# Altium PCB Robot Controller.PcbDoc (part 2 of 2)
Units mil, origin at the board's own origin, x right, y up, seen from the top; angles counter-clockwise.
Board outline 9536.28 x 6487.66 mil, 2 copper layers (Top Layer, Bottom Layer); 219 components, 126 nets, 623 pads, 158 vias.
Unrouted connection lines stored in the file: 51.
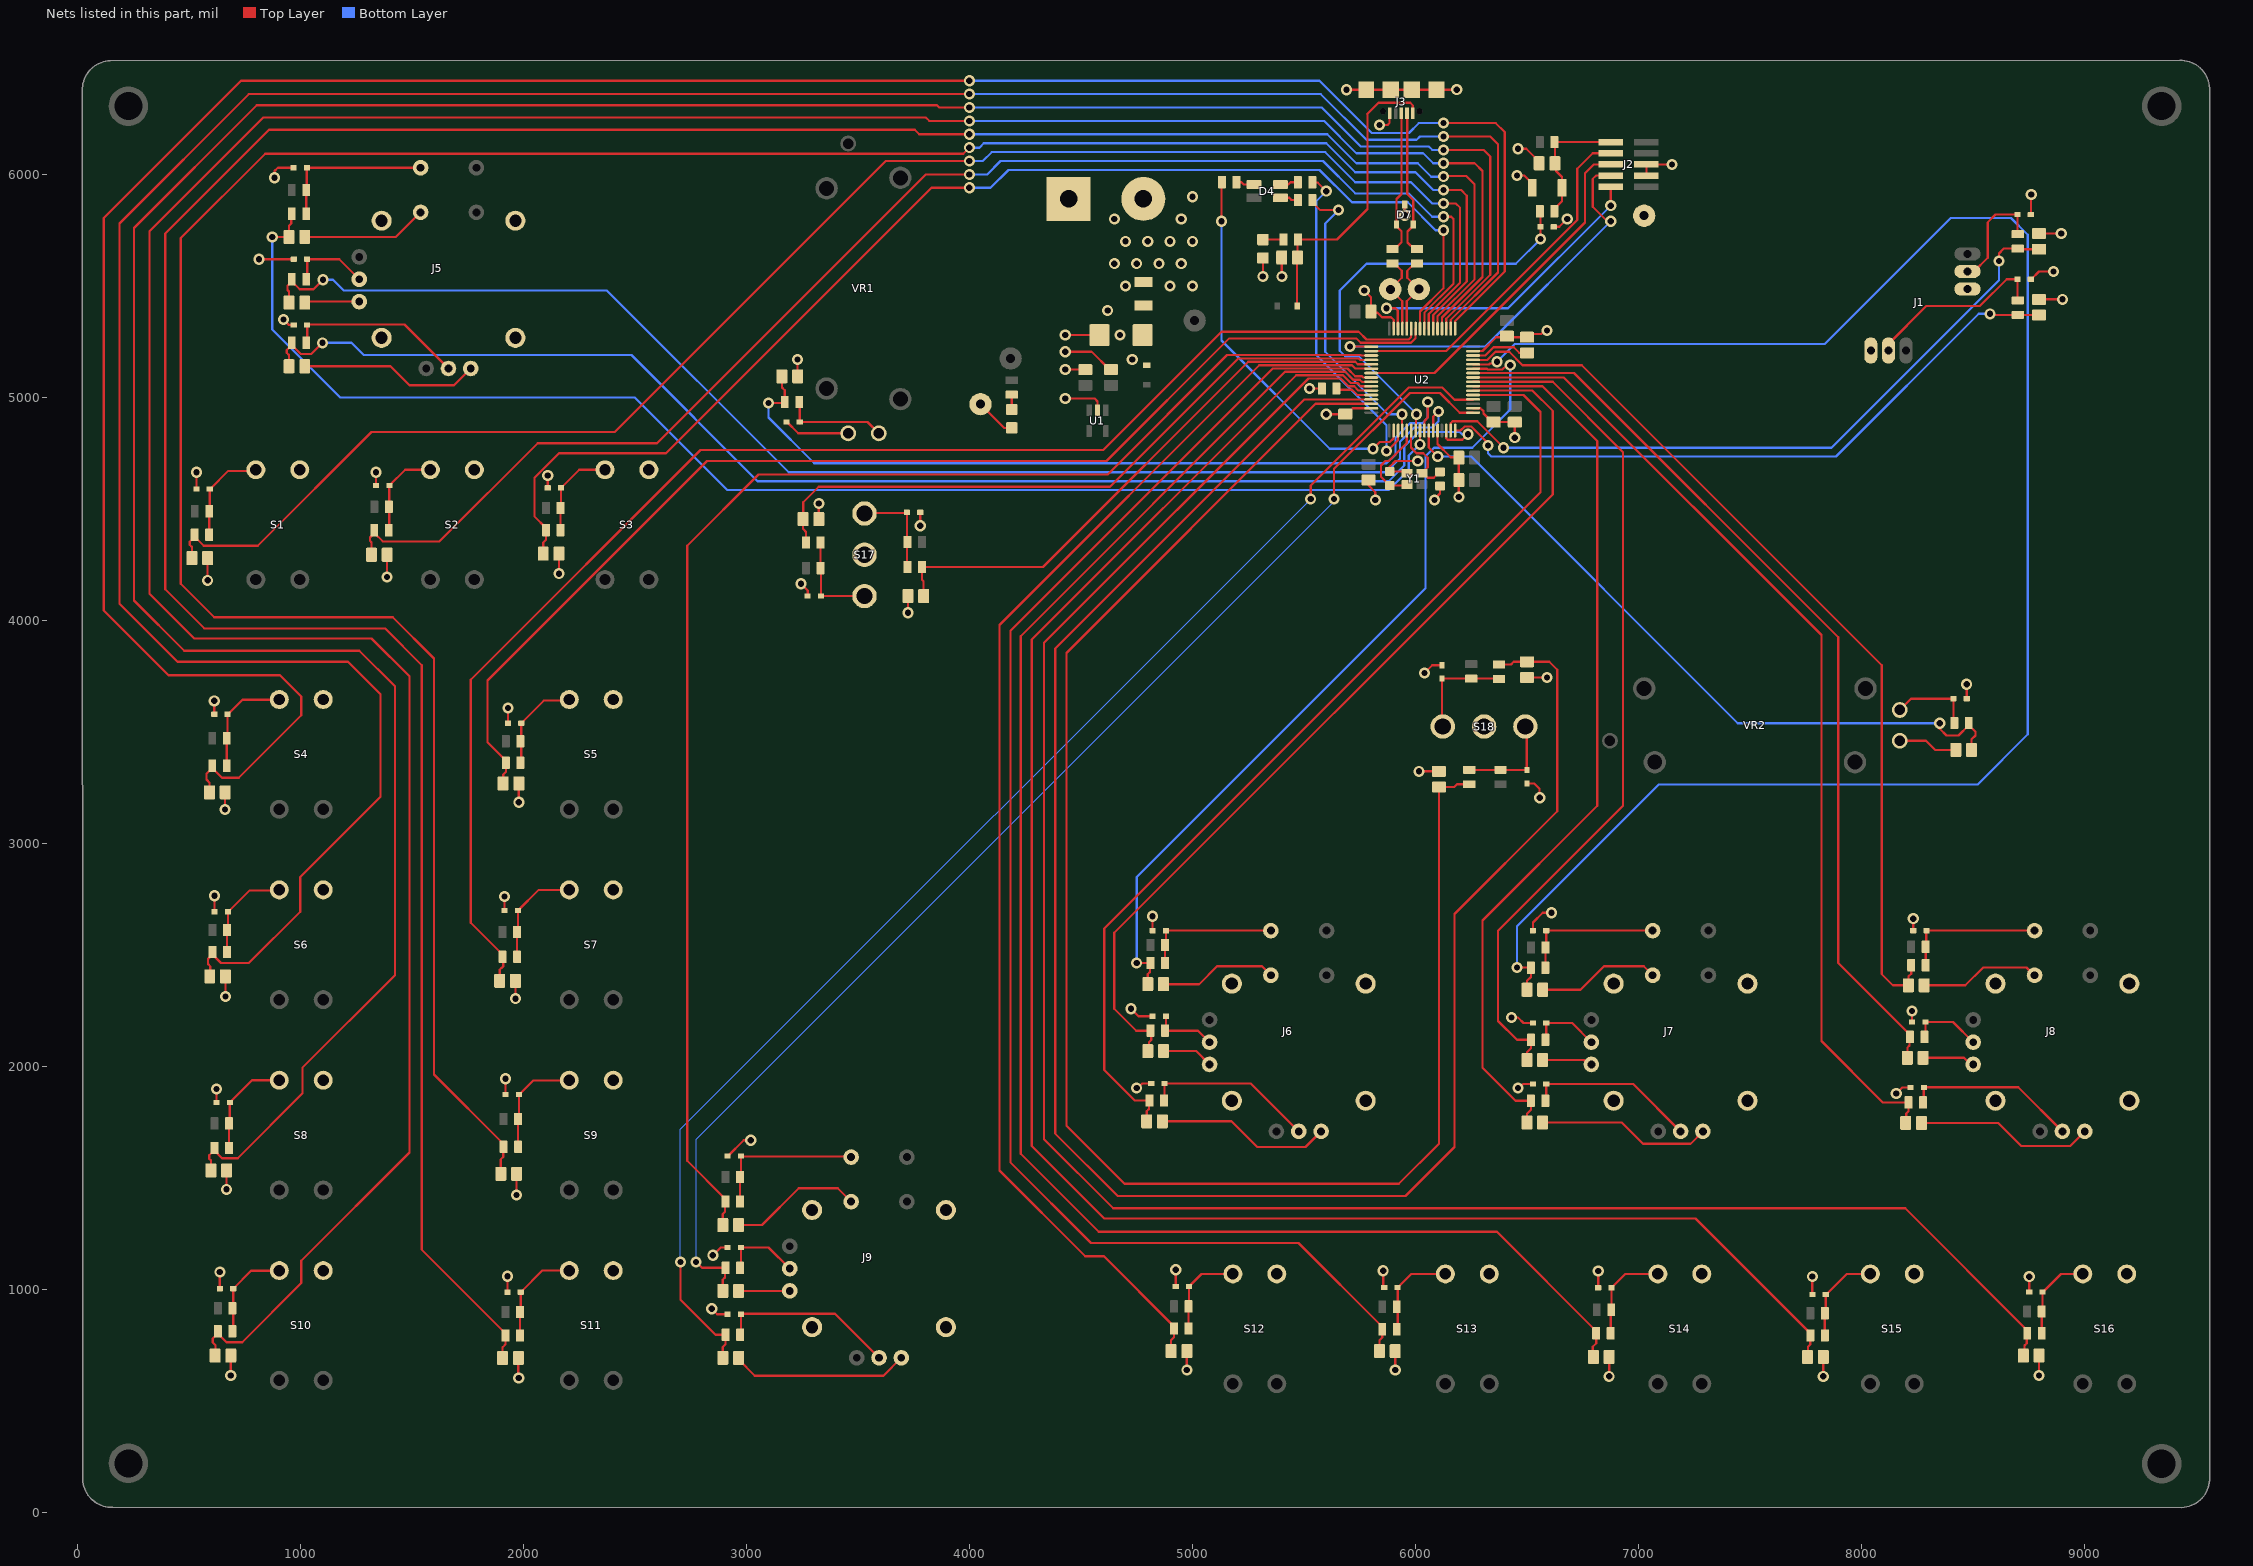
[diagram p2: the nets of this part, all layers, seen from the top]

## Via types
v1: diameter 50, hole 28, Top Layer to Bottom Layer, tented both sides, 158 vias

## Nets (pads, with @x,y where several pads share a name; then routed paths per layer and width w, separated by ;. In a path a pad name is that pad's centre, name@x,y a point inside that pad or via, vN(x,y) a via of type N, cw(c..) or ccw(c..) an arc to the next point about the centre after c; other vN are vias at no path point) (continued)
GND: C1.2 C3.2 C4.1 C5.1 C6.1 C7.1 C8.1 C9.1 C10.1 C11.1 C12.1 C13.1 C14.1 C15.1 C16.2 C17.1 C18.1 C19.1 C20.1 C21.1 C22.1 C23.1 C24.1 C25.1 C26.1 C27.1 C28.1 C29.1 C30.1 C31.1 C32.1 C33.1 C34.1 C35.1 C36.1 C37.1 C38.1 C39.1 C40.1 C41.1 C42.1 C43.1 C44.1 C45.1 C46.1 C47.1 C48.1 C49.1 C50.1 C51.1 C52.1 C53.1 C54.1 C55.1 D2.2 D3.2 D5.2 D6.2 D7.3 D8.2 D9.2 D10.2 D11.2 D12.2 D13.2 D14.2 D15.2 D16.2 D17.2 D18.2 D19.2 D20.2 D21.2 D22.2 D23.2 D24.2 D25.2 D26.2 D27.2 D28.2 D29.2 D30.2 D31.2 D32.2 D33.2 D34.2 D35.2 D36.2 D37.2 D38.2 D39.2 D40.2 D41.2 D42.2 D43.2 D44.2 D45.2 D46.2 GND.1 J1.3 J1.6 J2.3 J2.5 J3.5 J3.Shell J5.B2A J5.H3 J5.V3 J6.B2A J6.H3 J6.V3 J7.B2A J7.H3 J7.V3 J8.B2A J8.H3 J8.V3 J9.B2A J9.H3 J9.V3 P1.1 R5.2 S1.1 S2.1 S3.1 S4.1 S5.1 S6.1 S7.1 S8.1 S9.1 S10.1 S11.1 S12.1 S13.1 S14.1 S15.1 S16.1 S17.2 S18.2 S19.2 U1.2 U2.12 U2.18 U2.31 U2.47 U2.63 VR1.1 VR2.1 Y1.2 | length 17827.3
  Top Layer w5: v1@3325,4525 v1(3325.24,4524.76) ; C1.2@4628.11,5125 C1.2@4635,5125 ; 5718.39,4951.73 5718.7,4952.05 ; C7.1@5800.24,5385 C7.1@5805.24,5380 ; J3.5@5884,6273.1 J3.5@5885.13,6274.23 ; J3.Shell@6093.79,6379.54 J3.Shell@6094.25,6380 ; v1(6445,4820) v1@6455,4830 ; v1@6589.76,3744.76 v1(6590,3745)
  Top Layer w10: v1@535,4665 v1(535.08,4664.92) D13.2@535.08,4590 ; v1@585,4190 v1@585.24,4190.24 ; v1(585.24,4180.24) v1@585.24,4190.24 ; C22.1@585.24,4280 v1@585.24,4190.24 ; D44.2@615.08,3580 v1(615.08,3640.08) ; D46.2@616.22,2695 v1(616.22,2766.22) v1@620,2770 ; v1(625,1900) 625,1840.08 D42.2@625.08,1840 ; v1@640,1080 v1(640.08,1079.92) D37.2@640.08,1005 ; v1(663.07,3153.07) 663.07,3228.98 C53.1@664.09,3230 ; v1@665,2330 v1@665.24,2330.24 ; v1@665.24,2315.24 v1@665.24,2330.24 ; C55.1@665.24,2405 v1@665.24,2330.24 ; v1@670,1450 v1(670.24,1450.24) C51.1@670.24,1535 ; v1(689.09,615.91) v1@689.09,625.91 ; C46.1@689.09,705 v1@689.09,625.91 ; v1@690,625 v1@689.09,625.91 ; v1(815,5620) D14.2@971.57,5620 ; v1(885,5985) 885,6014.84 900.16,6030 D16.2@970.08,6030 ; v1(925,5350) 950,5325 D15.2@971.57,5325 ; C24.1@1020.59,5140 1405,5140 1490,5055 1690,5055 J5.H3@1765,5130 ; C25.1@1020.59,5425 1025.59,5430 J5.V3@1265,5430 ; C23.1@1020.59,5720 1430,5720 J5.B2A@1540,5830 ; v1(1340,4665) 1340.08,4664.92 D12.2@1340.08,4605 ; v1(1389.91,4194.91) 1389.91,4294.67 C21.1@1390.24,4295 ; v1@1915,2765 v1(1916.46,2763.54) D36.2@1916.46,2700 ; D43.2@1920.98,1875 v1(1920.98,1945.98) v1@1925,1950 ; v1@1925,1065 v1(1929.09,1060.91) D45.2@1929.09,989.15 ; v1@1930,3610 v1(1931.46,3608.54) D41.2@1931.46,3540 ; C45.1@1965,2385 v1(1965,2305) v1@1970,2300 ; v1(1970,1425) C52.1@1970,1520 ; C54.1@1978.11,694.15 1978.11,606.89 v1(1980,605) ; v1@1980,3185 v1(1980.47,3185.47) C50.1@1980.47,3270 ; v1@2110,4660 2110.08,4659.92 D9.2@2110.08,4595 ; v1@2160,4210 v1(2160.24,4210.24) C18.1@2160.24,4300 ; v1(2845,915) 2870,890 D39.2@2916.22,890 ; v1(2850,1155) 2885,1190 D38.2@2916.22,1190 ; D40.2@2916.22,1600 2918.19,1600 2988.19,1670 v1(3020,1670) ; C48.1@2965.24,695 2965.24,688.11 3038.35,615 3615,615 J9.H3@3695,695 ; C49.1@2965.24,995 J9.V3@3195,995 ; C47.1@2965.24,1290 3070,1290 3235,1455 3410,1455 J9.B2A@3470,1395 ; D8.2@3180.08,4890 3182.05,4890 3232.83,4839.21 VR1.1@3456.46,4839.21 ; v1(3230,5170) 3230,5095.24 C17.1@3230.24,5095 ; v1(3245,4165) 3275.08,4134.92 D18.2@3275.08,4110 ; C26.1@3325.24,4455 v1(3325.24,4524.76) ; S17.2@3530,4305 S17.2@3530,4295 S17.2@3546.65,4295 ; v1(3724.76,4035.24) C27.1@3724.76,4110 C27.1@3724.76,4116.89 ; D17.2@3779.92,4485 3779.96,4484.96 v1(3780,4425) v1(3780,4425) ; GND.1@4015,4945 GND.1@4075,4945 ; GND.1@4085,4950 4085,4935 4156.34,4863.66 D3.2@4190,4863.66 ; v1(4430,5125) C3.2@4520,5125 ; v1(4430,5205) 4548.11,5205 C1.2@4628.11,5125 ; v1(4430,5280) D2.2@4583.54,5280 ; v1@4435,4995 4561.66,4995 4574.34,4982.32 U1.2@4574.34,4943.03 ; v1(4725,2260) 4758.64,2226.36 D23.2@4821.46,2226.36 ; v1(4750,1905) 4755,1905 4775,1925 D24.2@4815.08,1925 ; v1@4820,2675 4821.46,2673.54 D25.2@4821.46,2610 ; C33.1@4865.24,1755 5175,1755 5290,1640 5506.67,1640 J6.H3@5576.67,1710 ; C34.1@4870.24,2070 5016.67,2070 J6.V3@5076.67,2010 ; C32.1@4870.24,2370 5030,2370 5110,2450 5311.67,2450 J6.B2A@5351.67,2410 ; v1@4925,1090 v1(4925.08,1089.92) D32.2@4925.08,1015 ; v1(4975,640) C41.1@4975,725 ; v1(5315.77,5542.83) D6.2@5315.77,5625.15 ; v1@5400.3,5543.3 C16.2@5400.3,5627.83 ; v1(5525,5040) R5.2@5580.04,5040 ; v1(5600,4925) 5600.24,4925.24 C8.1@5685,4925.24 5691.89,4925.24 5718.39,4951.73 ; v1(5690.46,6379.54) J3.Shell@5778.83,6379.54 J3.Shell@5889.06,6379.54 J3.Shell@5983.55,6379.54 J3.Shell@6093.79,6379.54 ; 5718.7,4952.05 U2.63@5801.65,4952.05 ; v1(5770,5480) 5800.24,5449.76 C7.1@5800.24,5385 ; C9.1@5790,4629.76 5790,4605 5820,4575 v1(5820,4540) ; C7.1@5805.24,5380 5830,5380 5850,5360 5890,5360 5902.05,5347.95 U2.47@5902.05,5308.35 ; v1(5839,6221.08) 5874,6221.08 5884,6231.08 J3.5@5884,6273.1 ; v1(5855,1085) 5855,1015.08 D31.2@5860.08,1010 ; C13.1@5885,4667.99 5885,4690 5910,4715 v1(6010,4715) ; C13.1@5886.97,4667.99 5954.13,4667.99 Y1.2@5961.54,4660.59 ; C40.1@5909.09,725 v1(5909.09,640.91) v1@5910,640 ; v1@5950,5815 v1(5952,5817) D7.3@5952,5865.5 ; D7.3@5951,5862.5 D7.3@5951,5868.41 ; v1(6015.91,3324.09) C29.1@6105,3324.09 C29.1@6111.89,3324.09 ; v1(6040,3765) 6074.84,3799.84 D20.2@6118.7,3799.84 ; v1(6085,4540) 6085,4545 6110,4570 C12.1@6110,4603.5 C12.1@6108.03,4603.5 ; J3.Shell@6094.25,6380 v1(6185,6380) ; U2.12@6098.58,4851.65 6098.58,4791.42 6158.03,4731.97 6194.53,4731.97 C10.1@6194.53,4730 6194.29,4729.76 C11.1@6194.29,4630 v1(6194.29,4554.29) ; U2.18@6258.35,4952.05 6290.98,4952.05 6305,4940 6305,4927.87 6343.11,4889.76 C5.1@6350,4889.76 C4.1@6425.24,4889.76 ; U2.31@6258.35,5207.95 6300,5207.95 ; 6300,5208.27 6361.73,5270 6405.24,5270 C6.1@6410,5274.76 6414.53,5270.24 C15.1@6500,5270.24 6514.69,5284.92 6564.1,5284.92 6579.18,5300 v1(6590,5300) ; S18.2@6307.44,3519.65 S18.2@6307.44,3525 S18.2@6320,3525 ; v1(6430,2220) 6460,2220 6484.3,2195.7 D28.2@6526.46,2195.7 ; C4.1@6441.56,4886.32 6445,4882.87 v1(6445,4820) ; v1(6455,5995) 6487.76,5995 6523.07,5959.69 S19.2@6523.07,5940 ; v1(6460,1905) 6470,1915 6475,1915 6482.47,1922.47 D29.2@6526.46,1922.47 ; v1(6460,6115) 6496.42,6115 6554.53,6056.89 C14.1@6554.53,6050 ; D21.2@6500,3270.16 6500,3269.18 6532.61,3269.18 6556.01,3245.77 6556.01,3206.93 v1(6557.17,3205.77) ; C30.1@6500,3744.76 v1@6589.76,3744.76 ; D30.2@6526.46,2610 6526.46,2646.46 6570,2690 v1(6610,2690) ; C38.1@6570,1750 6925,1750 7020,1655 7233.33,1655 J7.H3@7288.33,1710 ; C39.1@6570,2030 6755,2030 6768.33,2016.67 6781.67,2016.67 J7.V3@6788.33,2010 ; C37.1@6570.24,2345 6740,2345 6845,2450 7023.33,2450 J7.B2A@7063.33,2410 ; D5.2@6619.84,5765 6645,5765 v1(6680,5800) ; D27.2@6819.06,1009.15 v1(6819.06,1084.06) v1@6820,1085 ; C36.1@6868.07,699.15 v1(6868.07,611.93) v1@6870,610 ; J2.3@7035,5995 J2.5@7035,6045 v1(7150,6045) ; D22.2@7779.06,979.15 v1(7779.06,1060) ; v1(7828.07,611.93) C31.1@7828.07,699.15 ; v1(8155,1880) 8181.99,1906.99 D34.2@8219.09,1906.99 ; VR2.1@8170.87,3461.46 8288.54,3461.46 8330,3420 C35.1@8422.28,3420 ; v1(8225.61,2249.39) 8225.92,2249.08 8225.92,2201.11 D33.2@8226.22,2200.8 ; v1@8230,2665 v1(8231.22,2663.78) D35.2@8231.22,2610 ; C43.1@8268.11,1747.97 8612.03,1747.97 8715,1645 8935,1645 J8.H3@9000,1710 ; C44.1@8275.24,2040 8459.29,2040 8475.05,2024.24 8499.24,2024.24 J8.V3@8500,2025 ; C42.1@8280.24,2365 8465,2365 8545,2445 8739.29,2445 8774.29,2410 J8.B2A@8775,2410 ; v1@8470,3715 v1(8470.65,3714.35) 8471.3,3713.7 D26.2@8471.3,3650 ; J1.3@8474.33,5486.26 J1.3@8476.46,5488.39 ; D19.2@8751.22,990 v1(8751.22,1058.78) ; D10.2@8756.46,5530 D10.2@8758.43,5530 8760.39,5530 8795.39,5565 v1(8860,5565) ; D11.2@8758.43,5820 8759.21,5820.79 8759.21,5909.21 v1(8760,5910) ; C20.1@8795,5440 v1(8900,5440) ; C19.1@8795,5735 v1(8895,5735) ; v1(8795.24,615.24) C28.1@8795.24,705
  other v1: 665,2315 4820.73,2674.27 2110,4650 4430,4995 5400.77,5542.83
JTDI: J2.8 U2.50 | length 1575.2
  Top Layer w10: U2.50@5801.65,5207.95 5852.95,5207.95 6137.45,5207.95 6725,5795.5 6725,6025 6795,6095 J2.8@6875,6095
JTDO/TRACESWO: J2.6 U2.55 | length 1590
  Top Layer w10: U2.55@5801.65,5109.53 6085.08,5109.53 6760,5784.45 6760,6005 6800,6045 J2.6@6875,6045
NetC12_2: C12.2 U2.6 Y1.1 | length 350.5
  Top Layer w5: Y1.1@6028.46,4660.59 6030.63,4660.59 Y1.1@6033.14,4660.59 ; C12.2@6108.03,4666.5 C12.2@6110,4666.5
  Top Layer w10: U2.6@5980,4851.65 5979.73,4775.42 6002.48,4752.5 6004.98,4750 6035.11,4750 6055.11,4730 6054.95,4686.89 Y1.1@6030.63,4660.59 ; Y1.1@6033.14,4660.59 6033.99,4660.59 6054.58,4640 6081.54,4640 C12.2@6108.03,4666.5
NetC13_2: C13.2 U2.5 Y1.3 | length 397.3
  Top Layer w10: C13.2@5885,4605 5957.13,4605 Y1.3@5961.54,4609.41 ; C13.2@5886.5,4615 5885.75,4614.25 5875.75,4614.25 5845,4645 5845,4695 5865,4715 5880,4715 5961.1,4796.1 U2.5@5961.1,4851.65 ; Y1.3@5960.94,4620 Y1.3@5961.54,4619.41
NetC15_2: C15.2 U2.30 | length 267.3
  Top Layer w10: U2.30@6258.35,5188.27 6313.27,5188.27 6350,5225 6440,5225 6465,5200 6499.76,5200 C15.2@6500,5199.76
NetC17_2: C17.2 R11.2 U2.9 | length 3637.3
  Top Layer w10: v1(3100,4975) 3167.52,4975 R11.2@3172.52,4980 3172.52,5032.48 3159.76,5045.24 C17.2@3159.76,5095 ; U2.9@6039.84,4851.65 U2.9@6039.84,4855.19 ; U2.9@6040,4851.65 6040,4895 6055,4910 v1(6055,4980)
  Bottom Layer w10: v1(3100,4975) 3100,4910 3305,4705 5870,4705 5910,4743.14 5910,4820 5975,4885 6030,4885 6055,4910 v1(6055,4980)
NetC18_2: C18.2 R13.2 U2.41 | length 5610
  Top Layer w10: C18.2@2089.76,4300 2089.76,4349.76 2102.17,4362.17 R13.2@2102.17,4405 2102.17,4414.84 2050,4467.01 2050,4639.5 2160.5,4750 2640,4750 3830,5940 v1(4000,5940) ; U2.41@6020.16,5308.35 6020.16,5385.16 6125,5490 v1(6125,5750)
  Bottom Layer w10: v1(4000,5940) 4095,5940 4175,6020 5570,6020 5715,5875 5965,5875 6090,5750 v1(6125,5750)
NetC19_2: C19.2 R14.2 U2.15 | length 3186
  Top Layer w5: R14.2@8700,5667.52 R14.2@8702.76,5664.76
  Top Layer w10: U2.15@6157.95,4851.65 6157.95,4884.82 6166.29,4893.15 6276.85,4893.15 v1(6395,4775) ; v1(8615.52,5612.34) 8615.52,5645.52 8637.52,5667.52 R14.2@8700,5667.52 ; R14.2@8702.76,5664.76 C19.2@8810,5664.76 ; C19.2@8795,5664.53 C19.2@8800.12,5659.41
  Bottom Layer w10: v1(6395,4775) 7865,4775 8615.52,5525.52 v1(8615.52,5612.34)
NetC20_2: C20.2 R15.2 U2.16 | length 2983.3
  Top Layer w5: v1(8575,5375) v1@8579.96,5370.04 ; R15.2@8700,5370.04 R15.2@8700.51,5369.53
  Top Layer w10: U2.16@6178.86,4851.65 6202.16,4851.65 6220.5,4870 6249.5,4870 6325,4794.5 v1(6325,4785) ; v1@8579.96,5370.04 R15.2@8700,5370.04 ; R15.2@8700.51,5369.53 C20.2@8805,5369.53 ; C20.2@8795,5369.53 C20.2@8795.12,5369.41
  Bottom Layer w10: v1(6325,4785) 6325,4750 6340,4735 7885,4735 8525,5375 v1(8575,5375)
NetC21_2: C21.2 R17.2 U2.40 | length 6333
  Top Layer w10: C21.2@1320,4295 1320,4350 1312.79,4357.21 1312.79,4372.79 1332.17,4392.17 R17.2@1332.17,4405 ; R17.2@1335,4390 1370,4355 1625,4355 2065,4795 2600,4795 3805,6000 3992.81,6000 v1@4000,5992.81 ; U2.40@6039.84,5308.35 6039.84,5379.84 6170,5510 6170,5800 6160,5810 v1(6125,5810)
  Bottom Layer w10: v1(4000,6000) 4080,6000 4140,6060 5585,6060 5730,5915 5970,5915 6075,5810 v1(6125,5810)
NetC22_2: C22.2 R22.2 U2.39 | length 7232.2
  Top Layer w10: C22.2@514.76,4290 514.76,4329.76 505,4339.53 505,4352.99 R22.2@527.17,4375.16 ; R22.2@527.17,4385 R22.2@527.17,4375.16 ; v1(4000,6060) 3625,6060 2410,4845 1320,4845 810,4335 567.32,4335 R22.2@527.17,4375.16 ; U2.39@6059.53,5308.35 6059.53,5374.53 6200,5515 6200,5850 6180,5870 v1(6125,5870)
  Bottom Layer w10: v1(4000,6060) 4060,6060 4100,6100 5595,6100 5730,5965 5980,5965 6075,5870 v1(6125,5870)
NetC23_2: C23.2 R19.2 U2.8 | length 6226.6
  Top Layer w10: v1(875,5720) C23.2@950.12,5720 950.12,5770.12 960,5780 960,5820.91 R19.2@962.52,5823.43 ; v1(6020.16,4790) U2.8@6020.16,4851.65
  Bottom Layer w10: v1(875,5720) 875,5305 1180,5000 2500,5000 2915,4585 5880,4585 5970,4675 5970,4739.84 v1(6020.16,4790)
NetC24_2: C24.2 R21.2 U2.14 | length 5975.2
  Top Layer w10: C24.2@950.12,5140 950.12,5190.12 940,5200.24 940,5212.64 R21.2@962.52,5235.16 ; R21.2@962.52,5245 R21.2@962.52,5235.16 ; v1(1100,5245) 1050,5195 1002.68,5195 R21.2@962.52,5235.16 ; U2.14@6138.27,4851.65 6138.27,4816.18 6144.29,4810.16 6210.16,4810.16 v1(6235,4835)
  Bottom Layer w10: v1(1100,5245) 1230,5245 1285,5190 2485,5190 3050,4625 5880,4625 5950,4695 5950,4780 6015,4845 6198.43,4845 6208.43,4835 v1(6235,4835)
NetC25_2: C25.2 R23.2 U2.11 | length 5924.2
  Top Layer w10: C25.2@950.12,5425 950.12,5475.12 942.91,5482.33 942.91,5500.55 R23.2@962.52,5520.16 ; R23.2@962.52,5530 R23.2@962.52,5520.16 ; v1(1102.5,5527.5) 1060,5485 997.68,5485 R23.2@962.52,5520.16 ; U2.11@6079.53,4851.65 6079.53,4914.53 v1(6102.56,4937.56)
  Bottom Layer w10: v1(1102.5,5527.5) 1147.5,5527.5 1195,5480 2375,5480 3190,4665 5870,4665 5930,4725 5930,4800 5995,4865 6075,4865 6102.56,4892.56 v1(6102.56,4937.56)
NetC26_2: C26.2 R26.2 U2.52 | length 2986.8
  Top Layer w10: C26.2@3254.76,4475 C26.2@3254.76,4455 3254.76,4410.24 3267.52,4397.48 R26.2@3267.52,4350 ; 3255,4490 3255,4530 3325,4600 4630,4600 5205,5175 5745,5175 5751.42,5168.58 U2.52@5801.65,5168.58
NetC27_2: C27.2 R27.2 U2.53 | length 2533.1
  Top Layer w10: C27.2@3795.24,4110 3795,4110.24 3795,4175 3787.48,4182.52 R27.2@3787.48,4240 4330,4240 5250,5160 5730,5160 5741.1,5148.9 U2.53@5801.65,5148.9
NetC28_2: C28.2 R31.2 U2.59 | length 9078.5
  Top Layer w10: U2.59@5801.65,5030.79 5744.21,5030.79 5725,5050 5700,5050 5665,5085 5520,5085 4335,3900 4335,1675 4645,1365 8195,1365 R31.2@8745,815 ; C28.2@8724.76,705 8730,710.24 8730,750 8740,760 8740,802.48 R31.2@8742.52,805
NetC29_2: C29.2 R32.2 U2.62 | length 7541.2
  Top Layer w10: U2.62@5801.65,4971.73 5551.73,4971.73 4435,3855 4435,1735 4695,1475 5925,1475 6105,1655 C29.2@6105,3253.62 6173.62,3253.62 6186.02,3266.02 R32.2@6240.96,3266.02
NetC30_2: C30.2 R34.2 U2.61 | length 8662.1
  Top Layer w10: U2.61@5801.65,4991.42 5501.42,4991.42 4385,3875 4385,1700 4665,1420 5955,1420 6175,1640 6175,2685 6635,3145 6635,3780 6600,3815 C30.2@6500,3815 ; R34.2@6374.29,3802.83 6427.83,3802.83 6440.24,3815.24 C30.2@6500,3815.24
NetC31_2: C31.2 R38.2 U2.58 | length 8256.2
  Top Layer w10: U2.58@5801.65,5050.47 5754.53,5050.47 5740,5065 5710,5065 5675,5100 5465,5100 4280,3915 4280,1645 4605,1320 7255,1320 R38.2@7780,795 ; C31.2@7757.6,699.15 7760,701.55 7760,745 7770,755 R38.2@7770,795.11
NetC32_2: C32.2 R35.2 U2.27 | length 3813
  Top Layer w10: v1(4750,2465) 4750.29,2464.71 R35.2@4812.4,2464.71 4810,2462.3 4810,2425 4800,2415 4800,2370.24 C32.2@4799.76,2370 ; U2.27@6258.35,5129.21 6320.79,5129.21 6325,5125 6389.36,5125 6409.36,5145 v1(6425,5145)
  Bottom Layer w10: v1(4750,2465) 4750,2850 6045,4145 6045,4736.57 6083.43,4775 6254.14,4775 6425,4945.86 v1(6425,5145)
NetC33_2: C33.2 R36.2 U2.21 | length 4450.4
  Top Layer w10: C33.2@4794.76,1755 4795,1755.24 4795,1800 4805,1810 4805,1845.74 R36.2@4807.4,1848.14 4741.85,1848.14 4605,1985 4605,2620 6560,4575 6560,4935 6483.9,5011.1 U2.21@6258.35,5011.1
NetC34_2: C34.2 R39.2 U2.22 | length 4190.3
  Top Layer w10: C34.2@4799.76,2070 4805,2075.24 4805,2110 4815,2120 4815,2158.99 R39.2@4812.4,2161.58 4748.42,2161.58 4650,2260 4650,2600 6615,4565 6615,4940 6524.21,5030.79 U2.22@6258.35,5030.79
NetC35_2: C35.2 R40.2 U2.10 | length 3205.6
  Top Layer w10: U2.10@6059.53,4851.65 6059.53,4776.1 6100,4735.62 v1(6100,4735) ; v1(8350,3540) 8350,3515 8380,3485 8434.29,3485 R40.2@8480.35,3531.06 ; R40.2@8480.35,3540.91 R40.2@8480.35,3531.06 ; C35.2@8492.76,3420 8492.76,3467.76 8510,3485 8510,3501.42 R40.2@8480.35,3531.06
  Bottom Layer w10: v1(6100,4735) 6250,4735 7445,3540 v1(8350,3540)
NetC36_2: C36.2 R43.2 U2.57 | length 7430.8
  Top Layer w10: U2.57@5801.65,5070.16 5801.5,5070 5760,5070 5750,5080 5720,5080 5685,5115 5415,5115 4230,3930 4230,1610 4580,1260 6365,1260 R43.2@6815,810 ; C36.2@6797.6,699.15 6797.6,722.4 6795,725 6795,745 6810,760 R43.2@6810,805.11
NetC37_2: C37.2 R44.2 U2.28 | length 8024.9
  Top Layer w10: U2.28@6258.35,5148.27 6329.84,5148.27 6333.91,5152.35 6357.35,5152.35 v1(6365,5160) ; v1(6455,2445) 6516,2445 R44.2@6517.4,2443.6 6517.4,2402.4 6500,2385 6500,2350.24 C37.2@6499.76,2350
  Bottom Layer w10: v1(6365,5160) 6445,5240 7835,5240 8400,5805 8670,5805 8745,5730 8745,5210 8745,3490 8520,3265 7090,3265 6455,2630 v1(6455,2445)
NetC38_2: C38.2 R45.2 U2.23 | length 4064.8
  Top Layer w10: U2.23@6258.35,5050.47 6569.53,5050.47 6815,4805 6815,3170 6300,2655 6300,1995 6447.86,1847.14 R45.2@6517.4,1847.14 6517.4,1807.4 6499.53,1789.53 C38.2@6499.53,1750
NetC39_2: C39.2 R46.2 U2.24 | length 3864.4
  Top Layer w10: U2.24@6258.35,5070.16 6614.84,5070.16 6930,4755 6930,3170 6370,2610 6370,2205 6454.63,2120.37 R46.2@6517.4,2120.37 6517.4,2082.4 6500,2065 6500,2030.47 C39.2@6499.53,2030
NetC40_2: C40.2 R48.2 U2.56 | length 6586.2
  Top Layer w10: U2.56@5801.65,5089.84 5765.16,5089.84 5760,5095 5730,5095 5695,5130 5360,5130 4185,3955 4185,1570 4545,1210 5475,1210 R48.2@5855,830 ; C40.2@5840,726.38 C40.2@5838.62,725 5838.62,773.62 5840,775 5840,775.07 5851.02,786.09 R48.2@5851.02,822.62
NetC41_2: C41.2 R52.2 U2.54 | length 5789.1
  Top Layer w10: C41.2@4904.53,725 4904.53,774.53 4917.52,787.52 R52.2@4917.52,825.96 4917.52,835.8 4603.32,1150 4520,1150 4135,1535 4135,3980 5300,5145 5715,5145 5730.47,5129.53 5801.34,5129.53 U2.54@5801.65,5129.21
NetC42_2: C42.2 R51.2 U2.29 | length 4059.6
  Top Layer w10: U2.29@6258.35,5168.58 6310,5168.58 ; 6310,5168.27 6321.55,5168.27 6358.28,5205 6420,5205 6480,5145 6745,5145 8090,3800 8090,2415 8140,2365 C42.2@8209.76,2365 8210,2365.24 8210,2405 8222.17,2417.17 R51.2@8222.17,2455.26 R51.2@8222.17,2465.1
NetC43_2: C43.2 R53.2 U2.25 | length 4461.1
  Top Layer w10: U2.25@6258.35,5089.84 6665.16,5089.84 7820,3935 7820,2115 8095,1840 R53.2@8210.04,1840 8210.04,1830.2 8210,1830.16 8210,1800 8200,1790 8200,1750.33 C43.2@8197.64,1747.97
NetC44_2: C44.2 R54.2 U2.26 | length 4150.9
  Top Layer w10: U2.26@6258.35,5109.53 6710.47,5109.53 7895,3925 7895,2465 8204.89,2155.11 8204.89,2146.08 R54.2@8217.17,2133.81 8215,2131.64 8215,2095 8205,2085 8205,2040.24 C44.2@8204.76,2040
NetC45_2: C45.2 R59.2 U2.43 | length 6335.4
  Top Layer w10: C45.2@1894.53,2385 1894.53,2434.53 1905,2445 1905,2445.07 1910,2450.07 1910,2490.03 R59.2@1907.4,2492.62 ; R59.2@1915,2495 1765,2645 1765,3735 2795,4765 4600,4765 5130,5295 5745,5295 5780,5260 5970,5260 5980,5270 U2.43@5980,5308.35
NetC46_2: C46.2 R60.2 U2.36 | length 13557
  Top Layer w10: C46.2@618.62,705 620,706.38 620,752.05 608.43,763.62 608.43,781.38 R60.2@631.02,803.98 ; R60.2@630,805 R60.2@631.02,803.98 ; R60.2@631.02,814.29 R60.2@631.02,803.98 ; v1(4000,6240) 3820,6240 3805,6255 835,6255 325,5745 325,4120 525,3920 1320,3920 1490,3750 1490,1615 1005,1130 1005,1030 740,765 670,765 R60.2@631.02,803.98 ; U2.36@6118.58,5308.35 6118.58,5358.58 6300,5540 6300,6015 6265,6050 v1(6125,6050)
  Bottom Layer w10: v1(4000,6240) 5590,6240 5735,6095 6034.14,6095 6079.14,6050 v1(6125,6050)
NetC47_2: C47.2 R57.2 U2.51 | length 6543
  Top Layer w10: C47.2@2894.76,1290 2894.76,1339.76 2905,1350 2905,1393.79 R57.2@2907.17,1395.96 2907.17,1405.8 2735,1577.97 2735,4335 3055,4655 4620,4655 5155,5190 5755,5190 5756.73,5188.27 U2.51@5801.65,5188.27
NetC48_2: C48.2 R61.2 U2.20 | length 6123.2
  Top Layer w10: v1@2705,1115 2705,955 2861.59,798.41 R61.2@2907.17,798.41 2907.17,755.85 2894.76,743.44 C48.2@2894.76,695 ; v1(5530,4545) 5530,4605 5970,5045 6120,5045 6175,4990 U2.20@6258.35,4990
  Bottom Layer w5: v1(2705,1125) 2705,1720 5522.93,4537.93 v1@5537.07,4537.93
NetC49_2: C49.2 R62.2 U2.17 | length 5784.4
  Top Layer w10: v1@2780,1120 2801.59,1098.41 R62.2@2907.17,1098.41 R62.2@2907.17,1088.56 ; C49.2@2894.76,995 2894.76,1044.76 2905,1055 R62.2@2905,1088.56 ; v1(5635,4545) 5635,4680 5975,5020 6110,5020 6198.86,4931.14 U2.17@6258.35,4931.14
  Bottom Layer w5: v1(2775,1125) 2775,1675 5635,4535 v1(5635,4545)
NetC50_2: C50.2 R65.2 U2.42 | length 5353.2
  Top Layer w10: C50.2@1910,3270 1910,3310 1922.4,3322.4 R65.2@1922.4,3362.62 ; R65.2@1927.39,3367.61 1840,3455 1840,3731.62 2823.38,4715 4615,4715 5165,5265 5735,5265 5755,5245 5980,5245 6000.47,5265.47 U2.42@6000.47,5308.35
NetC51_2: C51.2 R66.2 U2.35 | length 12896.6
  Top Layer w10: C51.2@599.76,1535 600,1535.24 600,1580 592.79,1587.21 592.79,1602.88 R66.2@616.02,1626.12 ; R66.2@616.02,1635.96 R66.2@616.02,1626.12 ; v1(4000,6300) 3865,6300 3855,6310 805,6310 255,5760 255,4090 480,3865 1265,3865 1425,3705 1425,2410 1010,1995 1010,1880 720,1590 650,1590 616.02,1623.98 R66.2@616.02,1626.12 ; v1(6125,6110) 6305,6110 6335,6080 6335,5550 6138.27,5353.27 U2.35@6138.27,5308.35
  Bottom Layer w10: v1(4000,6300) 5580,6300 5755,6125 6060,6125 6075,6110 v1(6125,6110)
NetC52_2: C52.2 R69.2 U2.38 | length 11950.8
  Top Layer w10: C52.2@1899.53,1520 1899.53,1584.53 1910,1595 1910,1639.03 R69.2@1911.93,1640.96 ; R69.2@1910,1655 1600,1965 1600,3830 1415,4015 615,4015 465,4165 465,5715 842.99,6092.99 3972.99,6092.99 v1(4000,6120) ; U2.38@6079.21,5308.35 6079.53,5308.66 6079.53,5309.89 6079.65,5310.01 6079.65,5369.65 6230,5520 6230,5905 6205,5930 v1(6125,5930)
  Bottom Layer w10: v1(4000,6120) 4045,6120 4065,6140 5600,6140 5730,6010 6000,6010 6080,5930 v1(6125,5930)
NetC53_2: C53.2 R70.2 U2.33 | length 11188.2
  Top Layer w10: C53.2@593.62,3230 593.62,3273.43 580,3287.05 580,3312.95 606.02,3338.98 650,3295 725,3295 1005,3575 1005,3660 910,3755 410,3755 120,4045 120,5805 735,6420 v1(4000,6420) ; v1(6125,6230) 6360,6230 6400,6190 6400,5565 6177.64,5342.64 U2.33@6177.64,5308.35
  Bottom Layer w10: v1(4000,6420) 5570,6420 5803.92,6186.08 5971.08,6186.08 6015,6230 v1(6125,6230)
NetC54_2: C54.2 R73.2 U2.37 | length 13030.3
  Top Layer w10: C54.2@1907.64,694.15 1907.64,742.64 1920.04,755.04 R73.2@1920.04,795.11 1920.04,804.96 1545,1180 1545,3800 1380,3965 570,3965 395,4140 395,5735 860,6200 3755,6200 3775,6180 v1(4000,6180) ; U2.37@6098.9,5308.35 6098.9,5363.9 6265,5530 6265,5955 6227.5,5992.5 v1@6127.5,5992.5
  Bottom Layer w10: v1(4000,6180) 5605,6180 5735,6050 6010,6050 6070,5990 v1(6125,5990)
NetC55_2: C55.2 R74.2 U2.34 | length 12240.1
  Top Layer w10: C55.2@594.76,2420 597.17,2422.4 597.17,2449.72 586.97,2459.92 586.97,2482.64 R74.2@607.17,2502.83 ; R74.2@607.17,2514.29 R74.2@607.17,2502.83 ; v1(4000,6360) 770,6360 190,5780 190,4075 450,3815 1215,3815 1360,3670 1360,3210 1000,2850 1000,2695 770,2465 645,2465 R74.2@607.17,2502.83 ; v1(6125,6170) 6335,6170 6370,6135 6370,5560 6157.95,5347.95 U2.34@6157.95,5308.35
  Bottom Layer w10: v1(4000,6360) 5575,6360 5780,6155 6005,6155 6020,6170 v1(6125,6170) v1@6110,6155
NetD1_1: D1.1 D2.1 F1.2
  other v1: 4730,5170 4675,5280 4620,5390
NetD3_1: D3.1 R1.1 | length 66.2
  Top Layer w10: D3.1@4190,4946.34 R1.1@4190,5012.52
NetD4_1: D4.1 R3.2 | length 97.6
  Top Layer w10: R3.2@5207.95,5954.53 R3.2@5197.48,5965 5220,5965 5230,5955 5275.47,5955 D4.1@5275.94,5954.53
NetD4_2: D4.2 R4.1 | length 82.8
  Top Layer w10: D4.2@5394.06,5954.53 5394.53,5955 5430,5955 5440,5965 R4.1@5472.52,5965
NetD4_3: D4.3 R2.1 | length 82.8
  Top Layer w10: D4.3@5394.06,5895.47 5394.53,5895 5434.14,5895 5444.14,5885 R2.1@5472.52,5885
NetD6_1: D6.1 R8.1 | length 90
  Top Layer w10: D6.1@5305.77,5707.83 R8.1@5395.77,5707.83
NetD8_1: D8.1 R11.1 VR1.2 | length 468.2
  Top Layer w10: R11.1@3237.48,4980 3239.92,4977.56 D8.1@3239.92,4890 ; D8.1@3239.92,4885 3244.57,4889.65 3543.82,4889.65 VR1.2@3594.25,4839.21
NetD9_1: D9.1 R12.2 R13.1 S3.3 | length 421.4
  Top Layer w10: R13.1@2167.13,4405 2167.13,4504.65 R12.2@2167.48,4505 2169.92,4507.44 D9.1@2169.92,4595 2250.98,4676.06 S3.3@2366.57,4676.06
NetD10_1: D10.1 J1.5 R15.1 | length 823.2
  Top Layer w10: J1.5@8120,5210.67 8120,5240.2 8289.8,5410 8530,5410 8650,5530 D10.1@8698.58,5530 R15.1@8698.58,5435
NetD11_1: D11.1 J1.2 R14.1 | length 516.2
  Top Layer w10: J1.2@8474.33,5565 8503.86,5565 8565,5626.14 8565,5785 8600,5820 D11.1@8698.58,5820 8698.58,5732.34 R14.1@8702.52,5728.41
NetD12_1: D12.1 R16.2 R17.1 S2.3 | length 387.2
  Top Layer w10: R17.1@1397.13,4405 1399.92,4407.8 D12.1@1399.92,4605 1470.98,4676.06 S2.3@1556.57,4676.06
NetD13_1: D13.1 R20.2 R22.1 S1.3 | length 446.4
  Top Layer w10: R22.1@592.13,4385 592.13,4489.65 R20.2@592.48,4490 594.92,4492.44 D13.1@594.92,4590 596.89,4590 677.95,4671.06 S1.3@801.57,4671.06
NetD14_1: D14.1 J5.V2 R23.1 | length 362.5
  Top Layer w10: R23.1@1027.48,5530 1031.42,5533.94 D14.1@1031.42,5620 1175,5620 J5.V2@1265,5530
NetD15_1: D15.1 J5.H2 R21.1 | length 801.6
  Top Layer w10: R21.1@1029.98,5242.5 R21.1@1027.48,5245 1031.42,5248.94 D15.1@1031.42,5325 1033.92,5327.5 1467.5,5327.5 J5.H2@1665,5130
NetD16_1: D16.1 J5.B1A R18.2 R19.1 | length 731.8
  Top Layer w10: R19.1@1027.48,5823.43 R18.2@1027.48,5930 1029.92,5932.44 D16.1@1029.92,6030 J5.B1A@1540,6030 J5.B1A@1530,6020
NetD17_1: D17.1 R25.2 R27.1 S17.3 | length 434.8
  Top Layer w10: S17.3@3530,4480.04 3532.48,4482.52 3711.69,4482.52 D17.1@3714.17,4485 ; D17.1@3720.08,4485 3720.08,4354.92 R25.2@3723.03,4351.97 3723.03,4338.03 3720,4335 3720,4242.52 R27.1@3722.52,4240
NetD18_1: D18.1 R24.2 R26.1 S17.1 | length 438.2
  Top Layer w10: R26.1@3332.48,4350 R24.2@3332.48,4235 3334.92,4232.56 R24.2@3334.92,4232.44 ; D18.1@3334.92,4110 R24.2@3334.92,4232.44 ; D18.1@3334.92,4110 S17.1@3530,4109.96 ; R24.2@3336.42,4233.94 R24.2@3334.92,4232.44
NetD19_1: D19.1 R28.2 R31.1 S16.3 | length 400.9
  Top Layer w10: R31.1@8807.48,805 8807.48,902.17 R28.2@8807.13,902.52 8811.06,906.46 D19.1@8811.06,990 8813.03,990 8894.09,1071.06 S16.3@8991.57,1071.06
NetD20_1: D20.1 R30.2 R34.1 S18.3 | length 473
  Top Layer w10: S18.3@6122.4,3525 6118.7,3528.7 D20.1@6118.7,3740 R30.2@6250,3740 6372.17,3740 R34.1@6374.29,3737.87
NetD21_1: D21.1 R29.2 R32.1 S18.1 | length 455.5
  Top Layer w10: R32.1@6240.96,3330.98 6241.94,3330 6379.87,3330 R29.2@6380.85,3330.98 6381.84,3330 D21.1@6500,3330 ; S18.1@6492.48,3525 6498.74,3518.74 6498.74,3341.18 D21.1@6504.96,3334.96
NetD22_1: D22.1 R37.2 R38.1 S15.3 | length 423.9
  Top Layer w10: R38.1@7834.96,795.11 R37.2@7834.96,895 7838.9,898.94 D22.1@7838.9,979.15 7840.87,979.15 7932.78,1071.06 S15.3@8039.07,1071.06
NetD23_1: D23.1 J6.V2 R39.1 | length 287.1
  Top Layer w10: D23.1@4881.3,2226.36 4881.3,2165.52 R39.1@4877.36,2161.58 5025.08,2161.58 J6.V2@5076.67,2110
NetD24_1: D24.1 J6.H2 R36.1 | length 768.7
  Top Layer w10: R36.1@4872.36,1848.14 4874.92,1850.7 D24.1@4874.92,1925 5261.67,1925 J6.H2@5476.67,1710
NetD25_1: D25.1 J6.B1A R33.2 R35.1 | length 617.3
  Top Layer w10: R35.1@4877.36,2464.71 R33.2@4877.36,2545.23 4881.3,2549.16 D25.1@4881.3,2610 J6.B1A@5351.67,2610
NetD26_1: D26.1 R40.1 VR2.2 | length 372.3
  Top Layer w10: VR2.2@8170.87,3599.25 8221.61,3650 D26.1@8411.46,3650 8411.46,3544.84 R40.1@8415.39,3540.91
NetD27_1: D27.1 R42.2 R43.1 S14.3 | length 439
  Top Layer w10: R43.1@6874.96,805.11 6874.96,907.48 R42.2@6877.48,910 6878.9,911.42 D27.1@6878.9,1009.15 6940.81,1071.06 S14.3@7086.57,1071.06
NetD28_1: D28.1 J7.V2 R46.1 | length 314.5
  Top Layer w10: R46.1@6582.36,2120.37 6586.3,2124.3 D28.1@6586.3,2195.7 6702.64,2195.7 J7.V2@6788.33,2110
NetD29_1: D29.1 J7.H2 R45.1 | length 767
  Top Layer w10: R45.1@6582.36,1847.14 6586.3,1851.08 D29.1@6586.3,1922.47 6975.87,1922.47 J7.H2@7188.33,1710
NetD30_1: D30.1 J7.B1A R41.2 R44.1 | length 645.1
  Top Layer w10: R44.1@6582.36,2443.6 R41.2@6582.36,2534.67 6586.3,2538.61 D30.1@6586.3,2610 J7.B1A@7063.33,2610
NetD31_1: D31.1 R47.2 R48.1 S13.3 | length 428.4
  Top Layer w10: R48.1@5915.98,822.62 5919.92,826.56 D31.1@5919.92,1010 5980.98,1071.06 S13.3@6134.07,1071.06
NetD32_1: D32.1 R50.2 R52.1 S12.3 | length 409.9
  Top Layer w10: R52.1@4982.48,825.96 R50.2@4982.48,925.85 4984.92,928.29 D32.1@4984.92,1015 5040.98,1071.06 S12.3@5181.57,1071.06
NetD33_1: D33.1 J8.V2 R54.1 | length 320.8
  Top Layer w10: R54.1@8282.13,2133.81 8286.06,2137.74 D33.1@8286.06,2200.8 8286.86,2200 8287.66,2200.8 8409.2,2200.8 J8.V2@8500,2110
NetD34_1: D34.1 J8.H2 R53.1 | length 771.7
  Top Layer w10: R53.1@8275,1840 8278.94,1843.94 D34.1@8278.94,1906.99 8279.44,1907.5 8702.5,1907.5 J8.H2@8900,1710
NetD35_1: D35.1 J8.B1A R49.2 R51.1 | length 640.3
  Top Layer w10: R51.1@8287.13,2455.26 R49.2@8287.13,2538 8290,2540.88 8290,2608.94 D35.1@8291.06,2610 J8.B1A@8775,2610
NetD36_1: D36.1 R56.2 R59.1 S7.3 | length 477.7
  Top Layer w10: R59.1@1972.36,2492.62 R56.2@1972.36,2604.19 1976.3,2608.12 D36.1@1976.3,2700 2069.03,2792.73 S7.3@2206.57,2792.73
NetD37_1: D37.1 R58.2 R60.1 S10.3 | length 431.1
  Top Layer w10: R60.1@695.98,814.29 699.92,818.23 D37.1@699.92,1005 779.92,1085 S10.3@905.59,1085
NetD38_1: D38.1 J9.V2 R62.1 | length 351.5
  Top Layer w10: R62.1@2972.13,1098.41 2976.06,1102.34 D38.1@2976.06,1190 3100,1190 J9.V2@3195,1095
NetD39_1: D39.1 J9.H2 R61.1 | length 795
  Top Layer w10: R61.1@2972.13,798.41 2976.06,802.34 D39.1@2976.06,890 2978.56,892.5 3397.5,892.5 J9.H2@3595,695
NetD40_1: D40.1 J9.B1A R55.2 R57.1 | length 701.7
  Top Layer w10: R57.1@2972.13,1395.96 R55.2@2972.13,1505.85 2976.06,1509.79 D40.1@2976.06,1600 2978.56,1597.5 3467.5,1597.5 J9.B1A@3470,1595
NetD41_1: D41.1 R63.2 R65.1 S5.3 | length 436.1
  Top Layer w10: R65.1@1987.36,3362.62 1991.3,3366.56 D41.1@1991.3,3540 2092.36,3641.06 S5.3@2206.57,3641.06
NetD42_1: D42.1 R64.2 R66.1 S8.3 | length 463.5
  Top Layer w10: R66.1@680.98,1635.96 R64.2@680.98,1745.85 684.92,1749.79 D42.1@684.92,1840 784.31,1939.39 S8.3@901.57,1939.39
NetD43_1: D43.1 R67.2 R69.1 S9.3 | length 482.4
  Top Layer w10: R69.1@1976.89,1640.96 R67.2@1976.89,1765.85 1980.83,1769.79 D43.1@1980.83,1875 1982.8,1875 2045.52,1937.73 S9.3@2201.57,1937.73
NetD44_1: D44.1 R68.2 R70.1 S4.3 | length 491.4
  Top Layer w10: R70.1@670.98,3349.29 R68.2@670.98,3472.52 674.92,3476.46 D44.1@674.92,3580 676.89,3580 741.89,3645 905.51,3645 S4.3@906.57,3646.06
NetD45_1: D45.1 R71.2 R73.1 S11.3 | length 448.4
  Top Layer w10: R73.1@1985,795.11 R71.2@1985,900 1988.94,903.94 D45.1@1988.94,989.15 2085.85,1086.06 S11.3@2201.57,1086.06
NetD46_1: D46.1 R72.2 R74.1 S6.3 | length 441.6
  Top Layer w10: R74.1@672.13,2514.29 R72.2@672.13,2612.52 ; R72.2@676.06,2616.46 D46.1@676.06,2695 ; D46.1@678.03,2695 772.42,2789.39 S6.3@903.74,2789.39
NetF1_1: F1.1 P1.2
  other v1: 4700,5500 4900,5500 5000,5500 4650,5600 4750,5600 4850,5600 4950,5600 4700,5700 4800,5700 4900,5700 5000,5700 4650,5800 4950,5800 5000,5900
NetJ5_S1: J5.S1
NetJ5_S2: J5.S2
NetJ5_S3: J5.S3
NetJ5_S4: J5.S4
NetJ6_S1: J6.S1
NetJ6_S2: J6.S2
NetJ6_S3: J6.S3
NetJ6_S4: J6.S4
NetJ7_S1: J7.S1
NetJ7_S2: J7.S2
NetJ7_S3: J7.S3
NetJ7_S4: J7.S4
NetJ8_S1: J8.S1
NetJ8_S2: J8.S2
NetJ8_S3: J8.S3
NetJ8_S4: J8.S4
NetJ9_S1: J9.S1
NetJ9_S2: J9.S2
NetJ9_S3: J9.S3
NetJ9_S4: J9.S4
NetR5_1: R5.1 U2.60 | length 166.3
  Top Layer w10: R5.1@5645,5035 5715,5035 5738.27,5011.73 5738.9,5011.73 ; 5738.9,5011.1 U2.60@5801.65,5011.1
nLED_B: R2.2 U2.4 | length 1341.1
  Top Layer w10: R2.2@5537.48,5885 5537.48,5875.16 5572.64,5840 v1(5655,5840) ; U2.4@5940,4851.65 v1(5940,4925) ; U2.4@5941.42,4851.65 U2.4@5941.42,4856.63
  Bottom Layer w10: v1(5655,5840) 5595,5780 5595,5205 5875,4925 v1(5940,4925)
nLED_G: R4.2 U2.3 | length 1509.3
  Top Layer w5: R4.2@5537.48,5963.19 R4.2@5537.48,5965
  Top Layer w10: R4.2@5537.48,5963.19 5561.81,5963.19 v1(5600,5925) ; v1(5870,4760) 5873.28,4760 5921.73,4808.45 U2.3@5921.73,4851.65
  Bottom Layer w10: v1(5600,5925) 5555,5880 5555,5190 5870,4875 v1(5870,4760)
nLED_R: R3.1 U2.2 | length 1738.1
  Top Layer w10: v1(5130,5790) 5130,5962.48 R3.1@5132.52,5965 ; v1(5810,4770) 5840,4800 5885,4800 5901.12,4816.12 5901.12,4850.73 U2.2@5902.05,4851.65
  Bottom Layer w10: v1(5130,5790) 5130,5255 5615,4770 v1(5810,4770)
nRESET: D5.1 R7.2 U2.7 | length 1929.6
  Top Layer w10: U2.7@6000.47,4851.65 6001.69,4852.87 6001.69,4921.69 v1(6005,4925) ; R7.2@6557.52,5835 6560,5832.52 D5.1@6560,5765 v1(6560,5710)
  Bottom Layer w10: v1(6005,4925) 5745,5185 5685,5185 5660,5210 5660,5480 5780,5600 6450,5600 v1(6560,5710)
nRESET_R: C14.2 J2.10 R6.1 R7.1 S19.1 | length 568.6
  Top Layer w10: R7.1@6622.48,5835 6622.48,5844.84 6656.93,5879.29 S19.1@6656.93,5940 6656.93,5988.07 6630,6015 6630,6045 C14.2@6625,6050 R6.1@6625,6145 ; R6.1@6625,6147.52 R6.1@6622.48,6145 R6.1@6625,6145 ; J2.10@6850,6145 R6.1@6625,6145
SWD_CLK: J2.4 U2.49 | length 1824.9
  Top Layer w10: v1(5706.14,5228.86) U2.49@5801.65,5228.86 ; v1(6875,5790) 6860,5790 6795,5855 6795,5980 6810,5995 J2.4@6875,5995 J2.4@6885,5995
  Bottom Layer w10: v1(5706.14,5228.86) 6313.86,5228.86 v1(6875,5790)
SWD_IO: J2.2 U2.46 | length 1425.6
  Top Layer w10: v1(5870,5400) 5910,5400 5920.27,5389.73 U2.46@5920.27,5317.49 ; U2.46@5921.73,5308.35 U2.46@5921.73,5326.64 ; v1(6875,5860) J2.2@6875,5945
  Bottom Layer w10: v1(5870,5400) 6415,5400 v1(6875,5860)
USB_5V: C16.1 D47.1 J3.1 R8.2 | length 1355.5
  Top Layer w5: C16.1@5468.9,5625.96 C16.1@5470.77,5627.83
  Top Layer w10: D47.1@5468.9,5410 C16.1@5468.9,5625.96 ; C16.1@5470.77,5627.83 R8.2@5470.77,5705.35 ; R8.2@5473.25,5707.83 5647.83,5707.83 5785,5845 5785,6270.08 5784,6271.08 5834,6321.08 5975.98,6321.08 5987.49,6309.57 J3.1@5987.49,6274.23
USBD_N: R9.2 U2.44 USBD_N.1 | length 360.2
  Top Layer w10: U2.44@5961.1,5308.35 5961.1,5431.6 6015,5485.5 5963.5,5537 5963.5,5567.62 R9.2@5996.65,5600.77
  Top Layer w15: R9.2@5996.65,5600.77 R9.2@6006.49,5600.77 ; USBD_N.1@6015,5485.5 USBD_N.1@6015,5486
USBD_P: R10.2 U2.45 USBD_P.1 | length 348.6
  Top Layer w10: USBD_P.1@5887,5485.5 5938.5,5537 5938.5,5568.61 R10.2@5906.34,5600.77 ; USBD_P.1@5887.5,5485 5941,5431.5 U2.45@5941,5332
  Top Layer w15: USBD_P.1@5887,5485.5 USBD_P.1@5887,5485 USBD_P.1@5887.5,5485 ; R10.2@5905.48,5591.78 R10.2@5896.49,5600.77 R10.2@5906.34,5600.77
USBD_R_N: D7.2 J3.2 R9.1 | length 655.5
  Top Layer w10: J3.2@5961.9,6274.23 5962.9,6273.23 5962.9,5912.1 5989.4,5885.6 D7.2@5989.4,5774.95 ; D7.2@5987.56,5766.58 5986.93,5766.58 5964.5,5744.15 5964.5,5695.23 R9.1@5993.99,5665.73
  Top Layer w15: D7.2@5986.93,5766.58 5989.4,5769.05 D7.2@5989.4,5774.95 ; R9.1@5993.99,5665.73 R9.1@6006.49,5665.73
USBD_R_P: D7.1 J3.3 R10.1 | length 632.2
  Top Layer w10: R10.1@5906.34,5665.73 5937,5696.4 5937,5745.23 D7.1@5922.1,5760.13 ; D7.1@5914.6,5774.95 5914.6,5889.6 5937.31,5912.31 5937.31,6273.23 J3.3@5936.31,6274.23
  Top Layer w15: R10.1@5896.49,5665.73 R10.1@5906.34,5665.73
pads on no net: J2.7 J2.9 J3.4 J3.MH1 J3.MH2 J5.B1B J5.B2B J6.B1B J6.B2B J7.B1B J7.B2B J8.B1B J8.B2B J9.B1B J9.B2B MH1.0 MH2.0 MH3.0 MH4.0 S1.2 S1.4 S2.2 S2.4 S3.2 S3.4 S4.2 S4.4 S5.2 S5.4 S6.2 S6.4 S7.2 S7.4 S8.2 S8.4 S9.2 S9.4 S10.2 S10.4 S11.2 S11.4 S12.2 S12.4 S13.2 S13.4 S14.2 S14.4 S15.2 S15.4 S16.2 S16.4 U1.4 VR1.4 VR1.5 VR1.6 VR1.7 VR2.4 VR2.5 VR2.6 VR2.7 Y1.4

## Polygon pours and split planes (outlines as drawn)
3V3 on Top Layer "Top Layer-3V3" (solid, remove dead copper, pour order 28): 14.82,6530 9574.82,6530 9574.82,125 9574.82,43.62 14.82,20
NetD1_1 on Top Layer "Top Layer-NetD1_1" (solid, remove dead copper, pour order 24): 4575,5110 4575,5455 4860,5455 4860,5110
5V on Top Layer "Top Layer-5V" (solid, remove dead copper, pour order 26): 4500,4885 4500,5010 4550,5010 4575,5035 4575,5105 4860,5105 4860,5490 5425,5490 5425,5305 5130,5305 4710,4885
NetF1_1 on Top Layer "Top Layer-NetF1_1" (solid, remove dead copper, pour order 22): 5075,6000 4575,6000 4575,5460 5075,5460
GND on Bottom Layer "Bottom Layer-GND" (solid, remove dead copper, pour order 40): 9.82,6520 119.82,6520 9569.82,6510 9569.82,170 9569.82,0 9.82,0
5V on Bottom Layer "Bottom Layer-5V" (solid, remove dead copper, pour order 38): 5425,5490 5425,5305 5125,5305 4705,4885 4500,4885 4500,5010 4550,5010 4575,5035 4575,5105 4865,5105 4865,5490
no net on Bottom Layer "Bottom Layer-No Net" (solid, pour order 32): 4945,5490
NetD1_1 on Bottom Layer "Bottom Layer-NetD1_1" (solid, remove dead copper, pour order 30): 4860,5455 4575,5455 4575,5110 4860,5110
NetF1_1 on Bottom Layer "Bottom Layer-NetF1_1" (solid, remove dead copper, pour order 14): 5075,5460 5075,6000 4575,6000 4575,5460

## Keep-outs
Keep-Out Layer:
  the board outline again, w47.24

## Other copper
Top Layer:
  pour cut-out: 5700,5370 5700,5345 5715,5345 5789.8,5270.2 5892.22,5270.2 5892.22,5339.87 5887.09,5345 5765,5345 5760,5350 5760,5370
  pour cut-out: 6390,5375 6375,5375 6350,5350 6350,5300 6290,5240 6225,5240 6225,5215.92 6290.92,5215.92 6390,5315
  pour cut-out: 6450,5380
  pour cut-out: 6430,4990 6227.59,4990 6215,4977.41 6215,4954.94 6239.94,4930 6430,4930
  pour cut-out: 6222.45,4979.63
  pour cut-out: 6222.53,4979.66
  pour cut-out: 6130.41,4885.11 6106.76,4885.11 6106.76,4803.24 6135,4775 6215,4775 6230,4760 6230,4700 6245,4685 6245,4670 6230,4655 6230,4640 6300,4640 6300,4660 6290,4670 6290,4685 6300,4695 6300,4767.21 6297.21,4770 6245,4770 6215.04,4799.96 6141.17,4799.96 6128.85,4812.28
  pour cut-out: 5890.93,4885 5890.93,4815 5815,4815 5760,4760 5760,4740 5765,4735 5825,4735 5825,4700.24 5750,4700.24 5750,4710 5740,4720 5740,4765 5860,4885
  pour cut-out: 5835.09,4939.73 5835,4920 5740,4825 5709.34,4825 5709.34,4884.34 5765.27,4940.27

## Silkscreen, mask and mechanical layers (free items; w line width, h text height)
Top Overlay:
  drawing of 57 lines, arcs and shapes, not listed
  text "Drive" at 1960,6300 h240
  text "Gimbal" at 7740,6070 h240
  text "ROBOT CONTROLLER / REV 1 / JANUARY 2021 / CHRISTOPHER ARJUNE" at 3045,2020 h82
  text "Arm" at 6930,210 h240
  text "Science" at 1935,205 h240

## Text inside footprints (layer, text, board x,y; h text height)
J3: Mechanical 2 "PCB Edge" at 5983.55,6462.22 h16 r180